# Altium PCB POETIC_Processor_V2_PANNEL.PcbDoc
Units mm, origin at the board's own origin, x right, y up, seen from the top; angles counter-clockwise.
Board outline 320 x 250 mm, 4 copper layers (Top Layer, VCC, GND, Bottom Layer), stack 0.603 mm thick; 4 components, 0 nets, 4 pads, 0 vias.
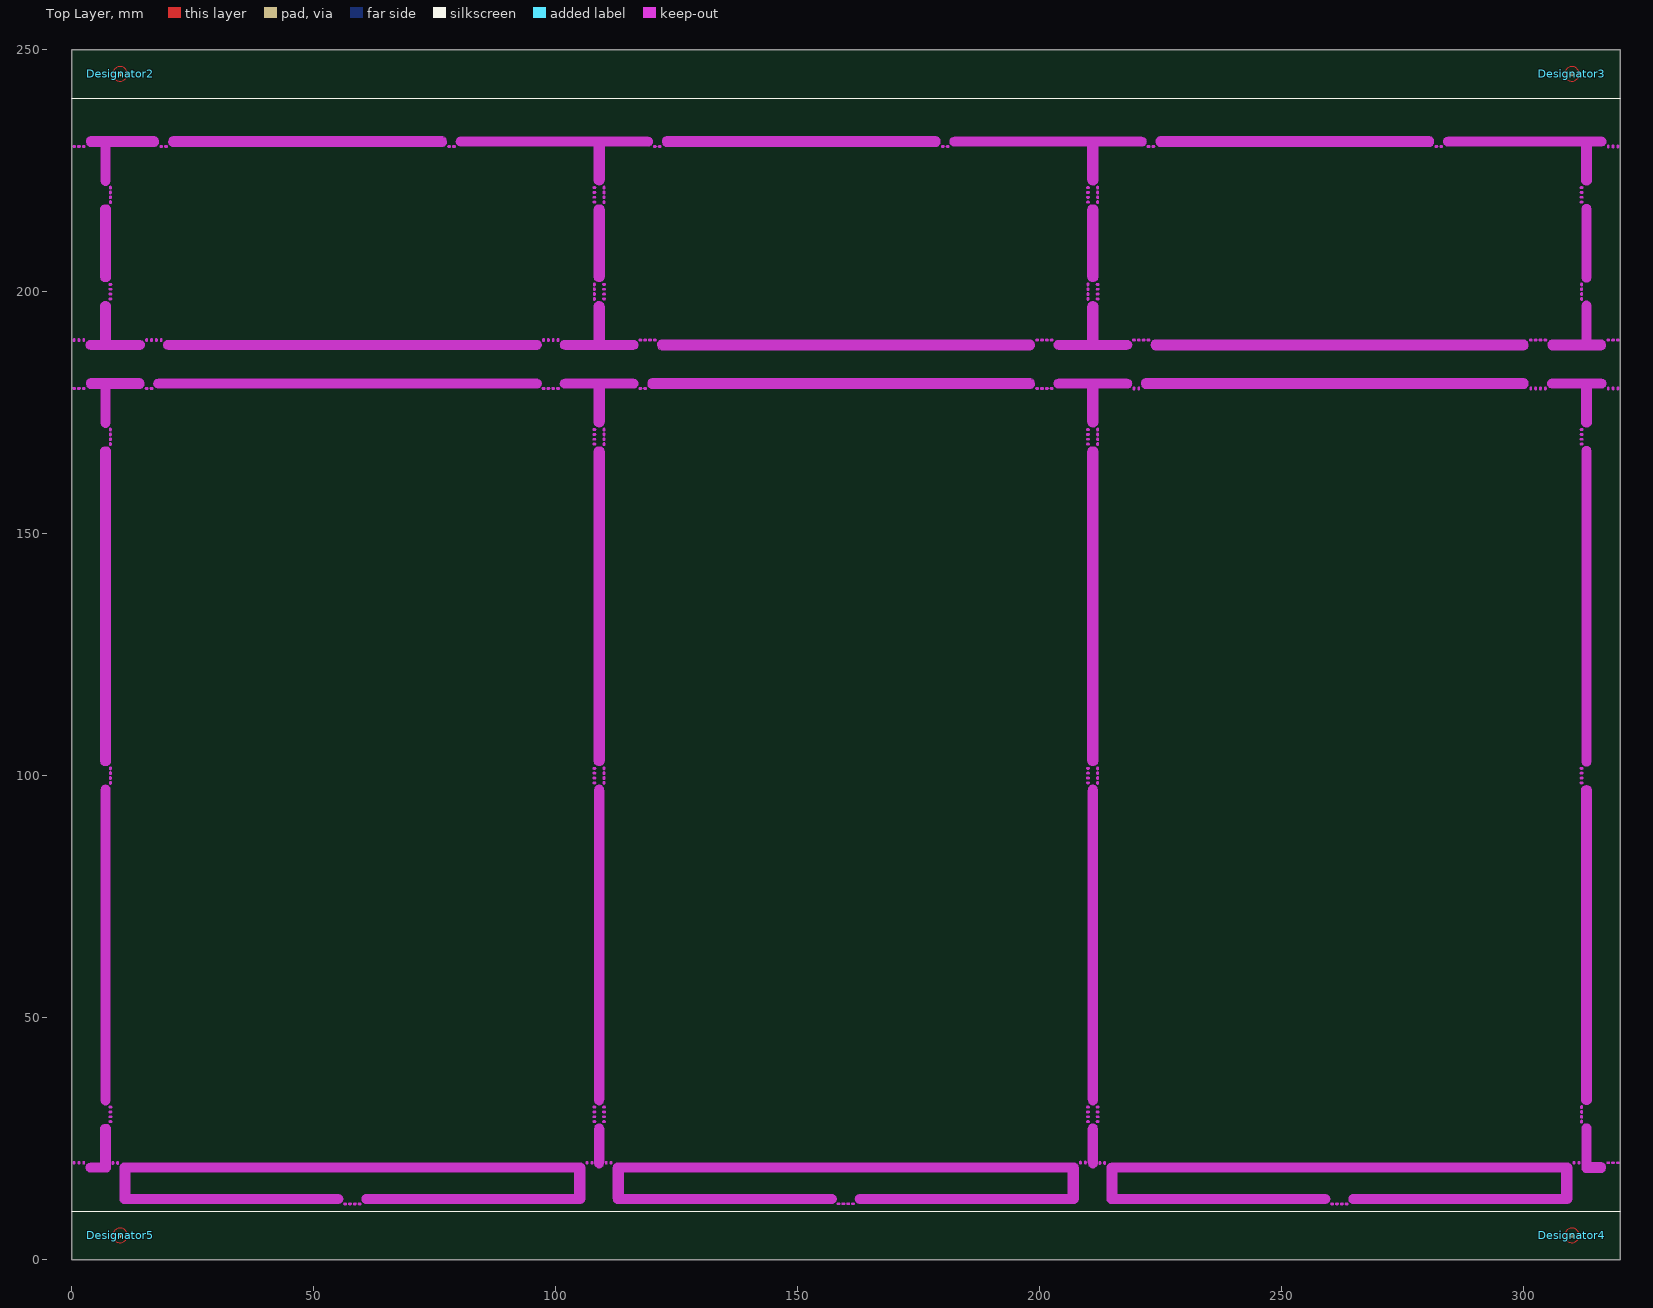
[diagram p0: Top Layer view]
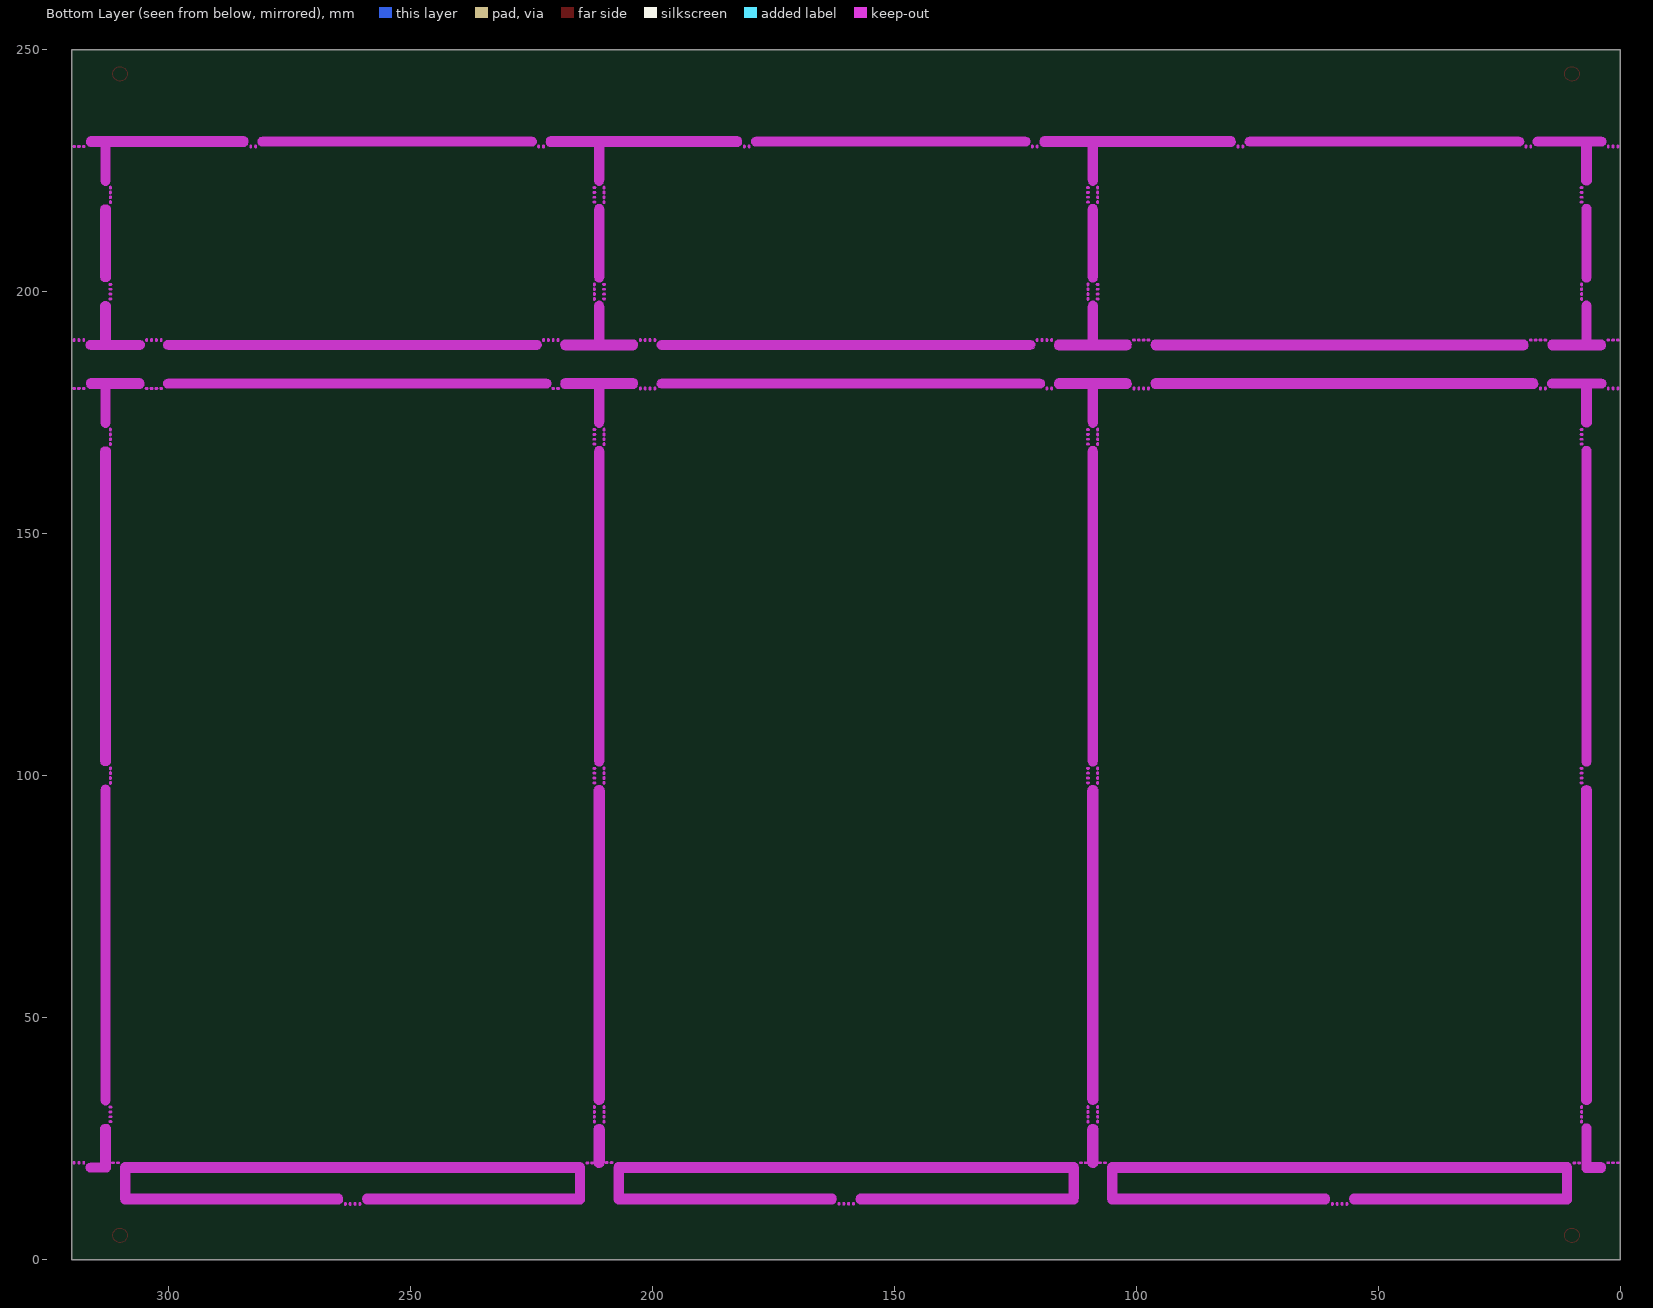
[diagram p1: Bottom Layer view, seen from below]
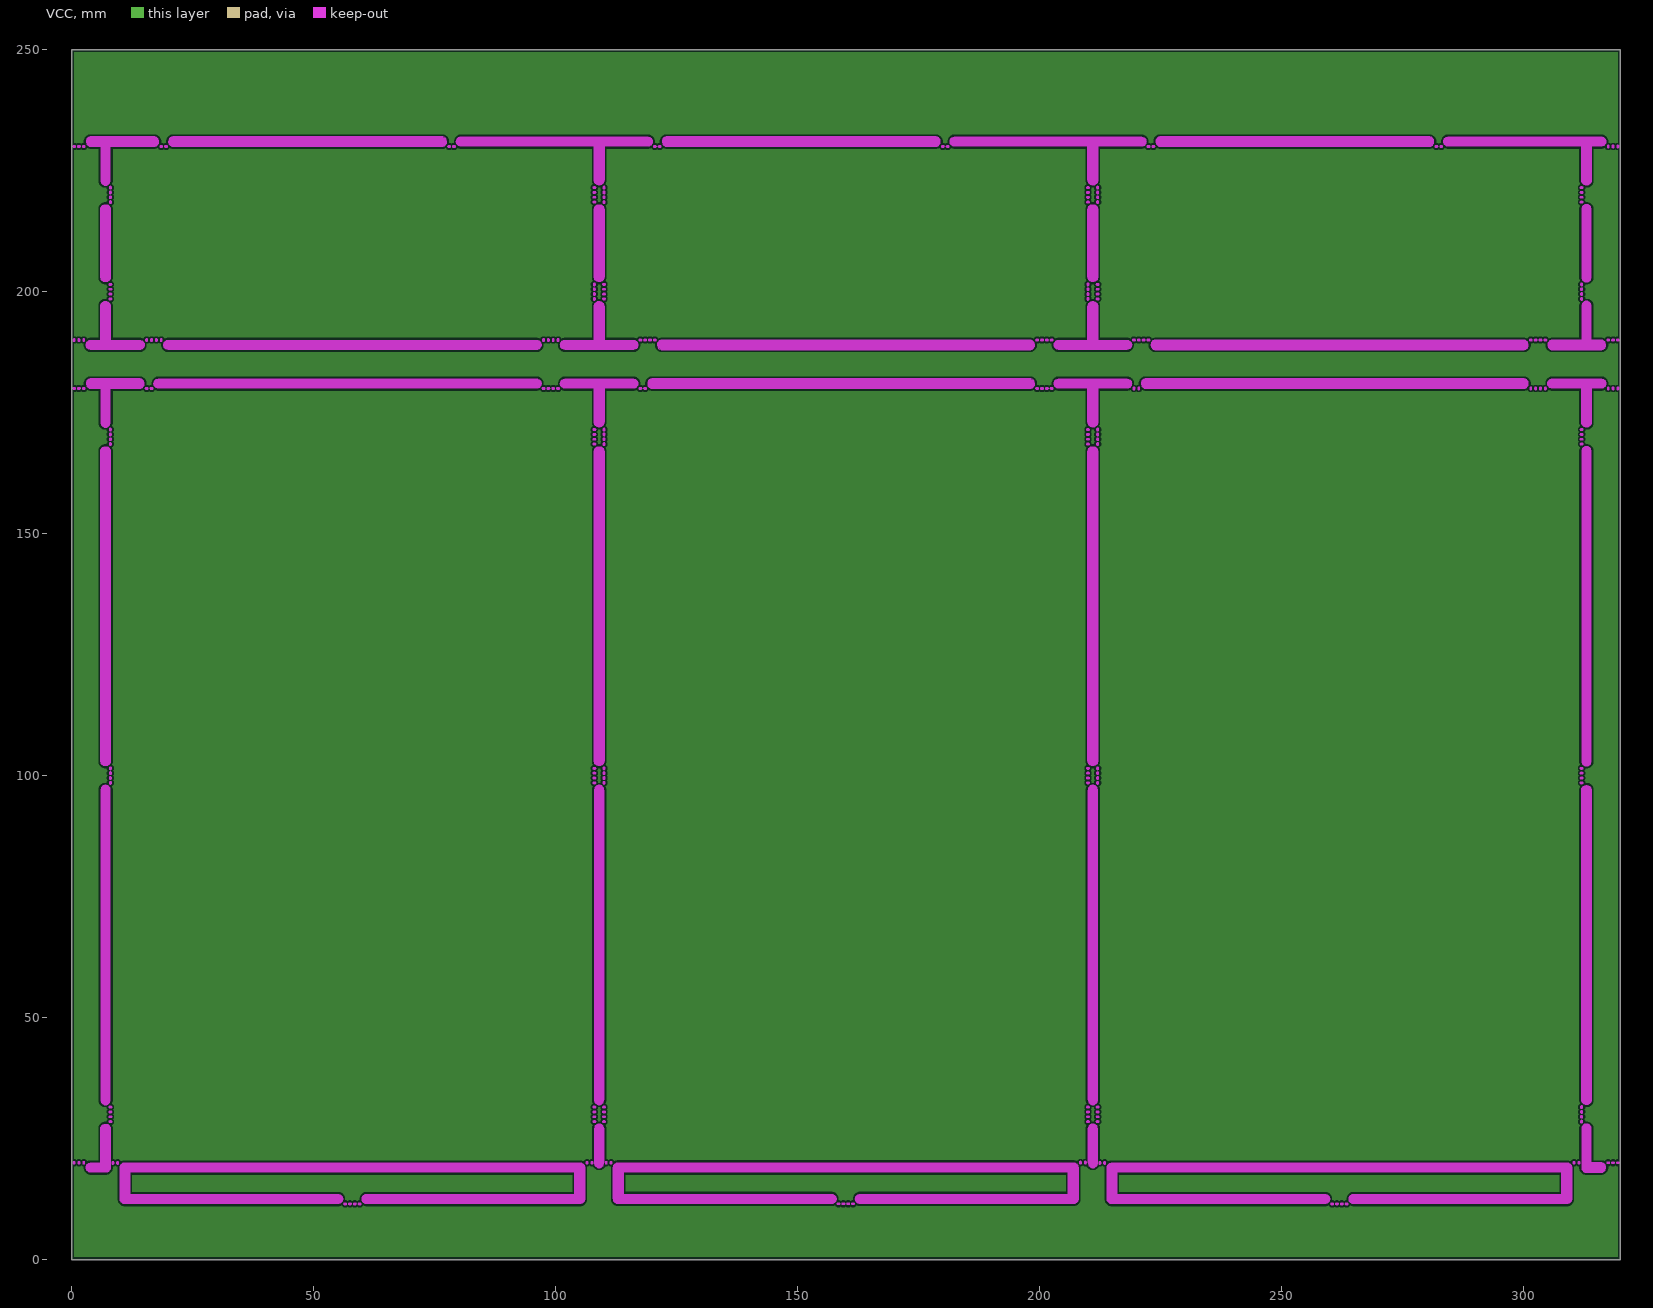
[diagram p2: VCC, clearances drawn from the general rule]
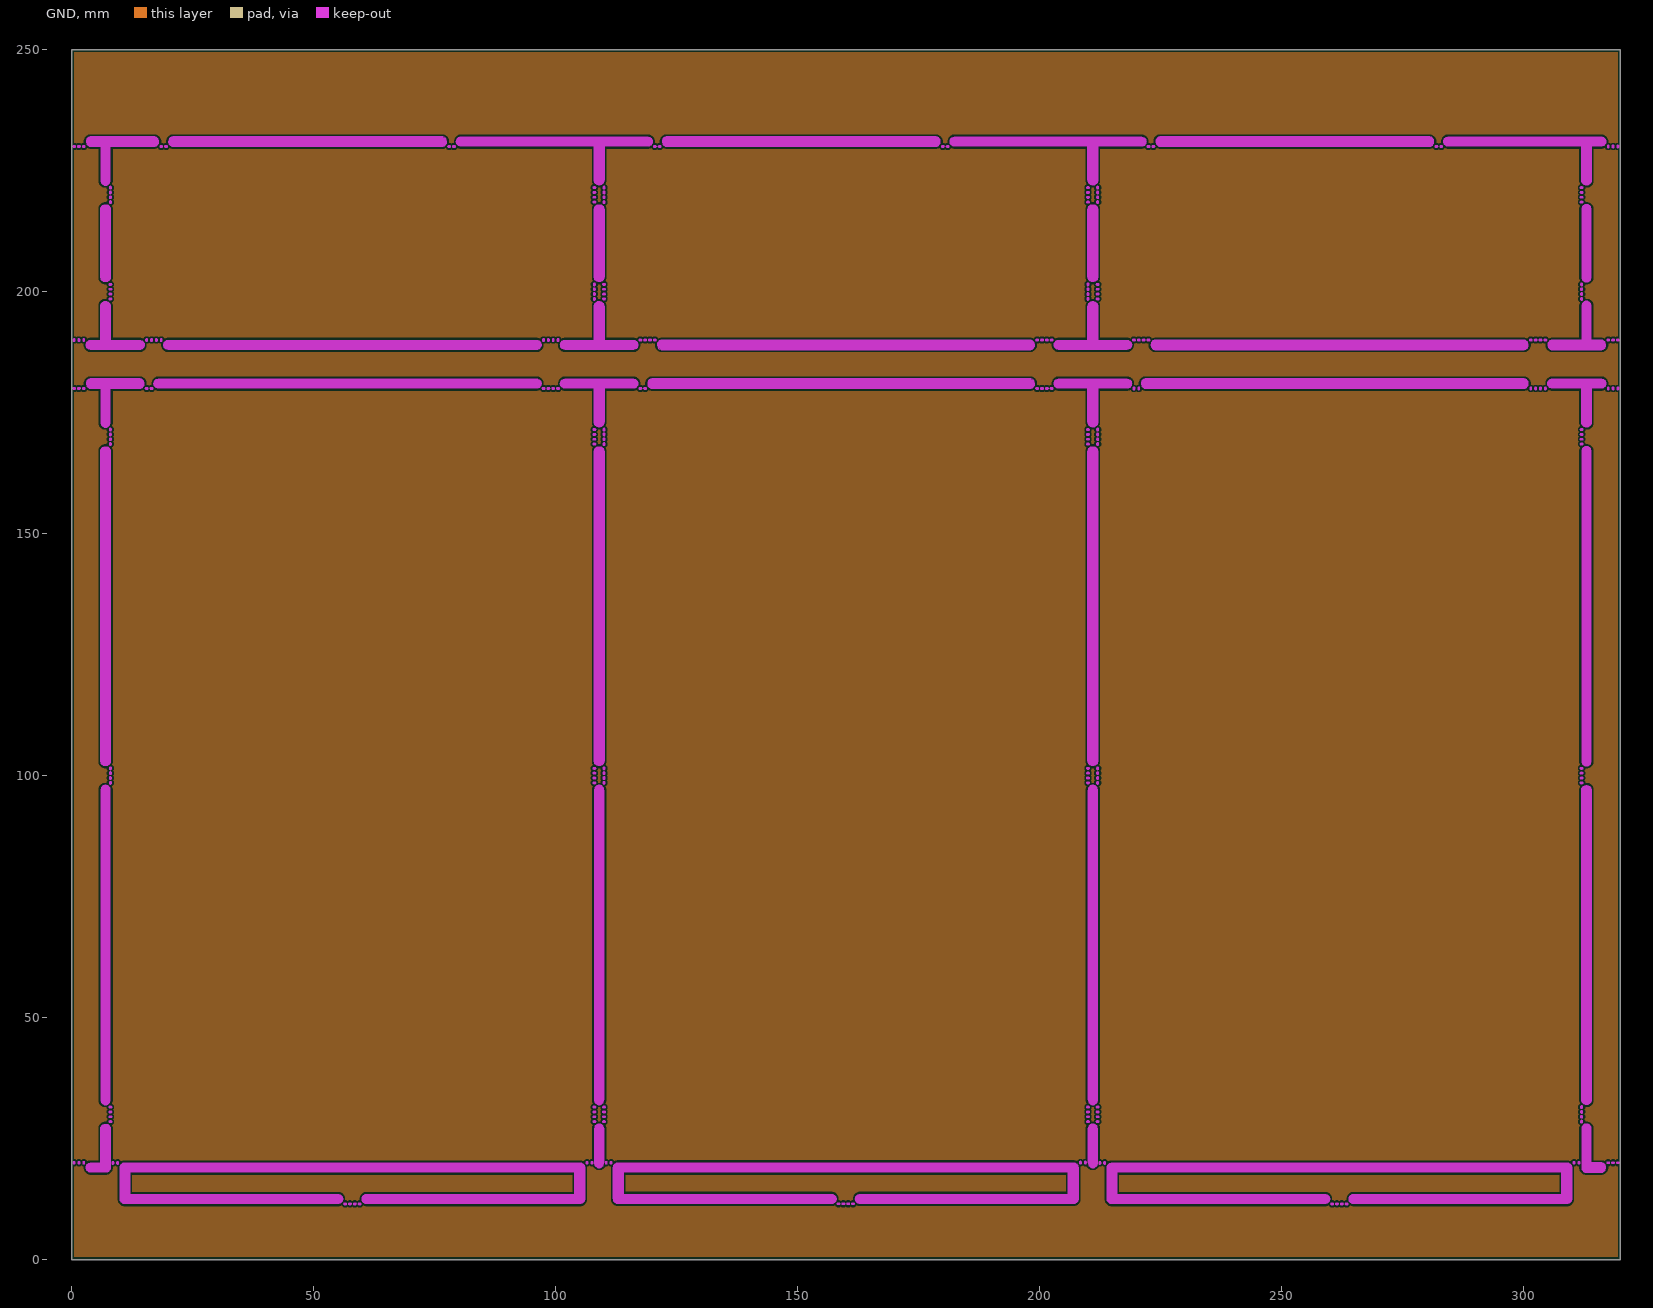
[diagram p3: GND, clearances drawn from the general rule]

## Layer stack, top to bottom
Top Solder: solder mask 0.0102, Solder Resist, Dk 3.5
Top Layer: signal copper 0.0356
Dielectric 2: prepreg 0.0711, PP-006, Dk 4.1
VCC: plane copper 0.035
Dielectric 1: dielectric 0.32, FR-4, Dk 4.8
GND: plane copper 0.035
Dielectric 3: prepreg 0.0711, PP-006, Dk 4.1
Bottom Layer: signal copper 0.0356
Bottom Solder: solder mask 0.0102, Solder Resist, Dk 3.5

## Board outline
0,0 0,250 320,250 320,0
cut-out: 210,19.987 ccw(c211,19.986) 212,19.986 212.001,27 ccw(c211,27) 212.001,27 ccw(c211,27) 210,27
cut-out: 108,19.987 ccw(c109,19.987) 110,19.987 110.001,27 ccw(c109,27) 110.001,27 ccw(c109,27) 108,27
cut-out: 222,180 300,179.999 ccw(c300,180.999) 301,180.999 ccw(c300,180.999) 300,182 222,182 ccw(c222,181)
cut-out: 120,180 198,179.999 ccw(c198,180.999) 199,180.999 ccw(c198,180.999) 198,182 120,182 ccw(c120,181)
cut-out: 18,180 cw(c18,181) 18,182 96,182 cw(c96,181) 97,181 cw(c96,181) 96,180
cut-out: 312,223.002 312,230.001 284.5,230.001 cw(c284.5,231.002) 284.5,232.002 313,232.002 cw(c313,231.002) 313.048,232.001 316,232.001 cw(c316,231) 317,231 cw(c316,231) 316,230 314.001,230 314.001,223.002 cw(c313,223.002)
cut-out: 210,223.002 210,230.001 182.5,230.001 cw(c182.5,231.002) 182.5,232.002 211,232.002 cw(c211,231.002) 211.028,232.002 221,232.002 cw(c221,231.001) 222,231.001 cw(c221,231.001) 221,230.001 212.001,230.001 212.001,223.002 cw(c211,223.002)
cut-out: 108,223.001 108,230 80.5,230 cw(c80.5,231.001) 80.5,232.001 108.972,232.001 cw(c109,231.001) 109,232.002 119,232.002 cw(c119,231.001) 120,231.001 cw(c119,231.001) 119,230.001 110.001,230.001 110.001,223.001 cw(c109,223.001)
cut-out: 121.5,229.75 cw(c121.5,230.001) 121.5,230.251 cw(c121.5,230.001) 121.75,230.001 cw(c121.5,230.001)
cut-out: 181,229.751 cw(c181,230.001) 181,230.252 cw(c181,230.001) 181.25,230.001 cw(c181,230.001)
cut-out: 180,229.751 cw(c180,230.001) 180,230.252 cw(c180,230.001) 180.25,230.001 cw(c180,230.001)
cut-out: 123,230.001 178.5,230 ccw(c178.5,231.001) 179.5,231.001 ccw(c178.5,231.001) 178.5,232.001 123,232.002 ccw(c123,231.001)
cut-out: 222.5,229.75 cw(c222.5,230.001) 222.5,230.251 cw(c222.5,230.001) 222.75,230.001 cw(c222.5,230.001)
cut-out: 223.5,229.75 cw(c223.5,230.001) 223.5,230.251 cw(c223.5,230.001) 223.75,230.001 cw(c223.5,230.001)
cut-out: 283,229.751 cw(c283,230.001) 283,230.252 cw(c283,230.001) 283.25,230.001 cw(c283,230.001)
cut-out: 282,229.751 cw(c282,230.001) 282,230.252 cw(c282,230.001) 282.25,230.001 cw(c282,230.001)
cut-out: 225,230.001 280.5,230 ccw(c280.5,231.001) 281.5,231.001 ccw(c280.5,231.001) 280.5,232.001 225,232.002 ccw(c225,231.001)
cut-out: 21,230 76.5,230 ccw(c76.5,231) 77.5,231 ccw(c76.5,231) 76.5,232 21,232.001 ccw(c21,231)
cut-out: 4,230 5.999,230 5.999,223 ccw(c7,223) 8,223 8,230 17,230 ccw(c17,231) 18,231 ccw(c17,231) 17,232.001 4,232.001 ccw(c4,231)
cut-out: 78,229.75 cw(c78,230) 78,230.251 cw(c78,230) 78.25,230 cw(c78,230)
cut-out: 79,229.75 cw(c79,230) 79,230.251 cw(c79,230) 79.25,230 cw(c79,230)
cut-out: 314,202.998 314.001,217 ccw(c313,217) 312,217 311.999,202.998 ccw(c313,202.998) 311.999,202.998 ccw(c313,202.998)
cut-out: 210,202.998 209.999,217 cw(c211,217) 212,217 212.001,202.998 cw(c211,202.998) 212.001,202.998 cw(c211,202.998)
cut-out: 108,202.998 107.999,217 cw(c109,217) 110,217 110.001,202.998 cw(c109,202.998) 110.001,202.998 cw(c109,202.998)
cut-out: 6,203 5.999,217.002 cw(c6.999,217.002) 8,217.002 8,203 cw(c7,203) 8,203 cw(c7,203)
cut-out: 7.749,218.5 ccw(c8,218.5) 8.25,218.5 ccw(c8,218.5)
cut-out: 7.749,219.5 ccw(c8,219.5) 8.25,219.5 ccw(c8,219.5)
cut-out: 7.749,220.5 ccw(c8,220.5) 8.25,220.5 ccw(c8,220.5)
cut-out: 7.749,221.5 ccw(c8,221.5) 8.25,221.5 ccw(c8,221.5)
cut-out: 19.5,229.75 cw(c19.5,230) 19.5,230.25 cw(c19.5,230) 19.75,230 cw(c19.5,230)
cut-out: 18.5,229.75 cw(c18.5,230) 18.5,230.25 cw(c18.5,230) 18.75,230 cw(c18.5,230)
cut-out: 2.5,229.75 cw(c2.5,230) 2.5,230.25 cw(c2.5,230) 2.75,230 cw(c2.5,230)
cut-out: 1.5,229.75 cw(c1.5,230) 1.5,230.25 cw(c1.5,230) 1.75,230 cw(c1.5,230)
cut-out: 0.5,229.75 cw(c0.5,230) 0.5,230.25 cw(c0.5,230) 0.75,230 cw(c0.5,230)
cut-out: 109.75,221.501 ccw(c110,221.501) 110.251,221.501 ccw(c110,221.501)
cut-out: 109.75,220.501 ccw(c110,220.501) 110.251,220.501 ccw(c110,220.501)
cut-out: 109.75,219.501 ccw(c110,219.501) 110.251,219.501 ccw(c110,219.501)
cut-out: 109.75,218.501 ccw(c110,218.501) 110.251,218.501 ccw(c110,218.501)
cut-out: 107.749,218.5 cw(c108,218.5) 108.25,218.5 cw(c108,218.5)
cut-out: 107.749,219.5 cw(c108,219.5) 108.25,219.5 cw(c108,219.5)
cut-out: 107.749,220.5 cw(c108,220.5) 108.25,220.5 cw(c108,220.5)
cut-out: 107.749,221.5 cw(c108,221.5) 108.25,221.5 cw(c108,221.5)
cut-out: 209.749,221.5 cw(c210,221.5) 210.25,221.5 cw(c210,221.5)
cut-out: 209.749,220.5 cw(c210,220.5) 210.25,220.5 cw(c210,220.5)
cut-out: 209.749,219.5 cw(c210,219.5) 210.25,219.5 cw(c210,219.5)
cut-out: 209.749,218.5 cw(c210,218.5) 210.25,218.5 cw(c210,218.5)
cut-out: 211.75,218.5 ccw(c212,218.5) 212.251,218.5 ccw(c212,218.5)
cut-out: 211.75,219.5 ccw(c212,219.5) 212.251,219.5 ccw(c212,219.5)
cut-out: 211.75,220.5 ccw(c212,220.5) 212.251,220.5 ccw(c212,220.5)
cut-out: 211.75,221.5 ccw(c212,221.5) 212.251,221.5 ccw(c212,221.5)
cut-out: 319.5,229.75 ccw(c319.5,230) 319.5,230.25 ccw(c319.5,230) 319.25,230 ccw(c319.5,230)
cut-out: 318.5,229.75 ccw(c318.5,230) 318.5,230.25 ccw(c318.5,230) 318.25,230 ccw(c318.5,230)
cut-out: 317.5,229.75 ccw(c317.5,230) 317.5,230.25 ccw(c317.5,230) 317.25,230 ccw(c317.5,230)
cut-out: 312.251,221.5 cw(c312,221.5) 311.75,221.5 cw(c312,221.5)
cut-out: 312.251,220.5 cw(c312,220.5) 311.75,220.5 cw(c312,220.5)
cut-out: 312.251,219.5 cw(c312,219.5) 311.75,219.5 cw(c312,219.5)
cut-out: 312.251,218.5 cw(c312,218.5) 311.75,218.5 cw(c312,218.5)
cut-out: 120.5,229.749 cw(c120.5,229.999) 120.5,230.25 cw(c120.5,229.999) 120.75,229.999 cw(c120.5,229.999)
cut-out: 312.251,201.5 ccw(c312,201.5) 311.75,201.5 ccw(c312,201.5)
cut-out: 312.251,200.5 ccw(c312,200.5) 311.75,200.5 ccw(c312,200.5)
cut-out: 312.251,199.5 ccw(c312,199.5) 311.75,199.5 ccw(c312,199.5)
cut-out: 312.251,198.5 ccw(c312,198.5) 311.75,198.5 ccw(c312,198.5)
cut-out: 301.5,190.25 cw(c301.5,190) 301.5,189.75 cw(c301.5,190) 301.25,190 cw(c301.5,190)
cut-out: 302.5,190.25 cw(c302.5,190) 302.5,189.75 cw(c302.5,190) 302.25,190 cw(c302.5,190)
cut-out: 303.5,190.25 cw(c303.5,190) 303.5,189.75 cw(c303.5,190) 303.25,190 cw(c303.5,190)
cut-out: 304.5,190.25 cw(c304.5,190) 304.5,189.75 cw(c304.5,190) 304.25,190 cw(c304.5,190)
cut-out: 317.5,190.25 cw(c317.5,190) 317.5,189.75 cw(c317.5,190) 317.25,190 cw(c317.5,190)
cut-out: 318.5,190.25 cw(c318.5,190) 318.5,189.75 cw(c318.5,190) 318.25,190 cw(c318.5,190)
cut-out: 319.5,190.25 cw(c319.5,190) 319.5,189.75 cw(c319.5,190) 319.25,190 cw(c319.5,190)
cut-out: 316,190 314.001,190 314.001,197 ccw(c313,197) 312,197 312,190 306,190 ccw(c306,189) 305,189 ccw(c306,189) 306,187.999 316,187.999 ccw(c316,189)
cut-out: 300,190 224,190 ccw(c224,189) 223,189 ccw(c224,189) 224,188 300,187.999 ccw(c300,189)
cut-out: 222.5,190.251 cw(c222.5,190) 222.5,189.75 cw(c222.5,190) 222.25,190 cw(c222.5,190)
cut-out: 221.5,190.251 cw(c221.5,190) 221.5,189.75 cw(c221.5,190) 221.25,190 cw(c221.5,190)
cut-out: 220.5,190.251 cw(c220.5,190) 220.5,189.75 cw(c220.5,190) 220.25,190 cw(c220.5,190)
cut-out: 219.5,190.251 cw(c219.5,190) 219.5,189.75 cw(c219.5,190) 219.25,190 cw(c219.5,190)
cut-out: 210.25,198.499 ccw(c210,198.499) 209.749,198.499 ccw(c210,198.499)
cut-out: 210.25,199.499 ccw(c210,199.499) 209.749,199.499 ccw(c210,199.499)
cut-out: 210.25,200.499 ccw(c210,200.499) 209.749,200.499 ccw(c210,200.499)
cut-out: 210.25,201.499 ccw(c210,201.499) 209.749,201.499 ccw(c210,201.499)
cut-out: 212.251,201.5 cw(c212,201.5) 211.75,201.5 cw(c212,201.5)
cut-out: 212.251,200.5 cw(c212,200.5) 211.75,200.5 cw(c212,200.5)
cut-out: 212.251,199.5 cw(c212,199.5) 211.75,199.5 cw(c212,199.5)
cut-out: 212.251,198.5 cw(c212,198.5) 211.75,198.5 cw(c212,198.5)
cut-out: 212,196.999 212,190 218,190 cw(c218,188.999) 218,187.999 211,187.999 cw(c211,188.999) 210.96,188 204,188 cw(c204,189) 202.999,189 cw(c204,189) 204,190 209.999,190 209.999,196.999 cw(c211,196.999)
cut-out: 110.251,198.5 cw(c110,198.5) 109.75,198.5 cw(c110,198.5)
cut-out: 110.251,199.5 cw(c110,199.5) 109.75,199.5 cw(c110,199.5)
cut-out: 110.251,200.5 cw(c110,200.5) 109.75,200.5 cw(c110,200.5)
cut-out: 110.251,201.5 cw(c110,201.5) 109.75,201.5 cw(c110,201.5)
cut-out: 108.25,201.5 ccw(c108,201.5) 107.749,201.5 ccw(c108,201.5)
cut-out: 108.25,200.5 ccw(c108,200.5) 107.749,200.5 ccw(c108,200.5)
cut-out: 108.25,199.5 ccw(c108,199.5) 107.749,199.5 ccw(c108,199.5)
cut-out: 108.25,198.5 ccw(c108,198.5) 107.749,198.5 ccw(c108,198.5)
cut-out: 100.5,190.251 ccw(c100.5,190) 100.5,189.75 ccw(c100.5,190) 100.75,190 ccw(c100.5,190)
cut-out: 99.5,190.251 ccw(c99.5,190) 99.5,189.75 ccw(c99.5,190) 99.75,190 ccw(c99.5,190)
cut-out: 98.5,190.251 ccw(c98.5,190) 98.5,189.75 ccw(c98.5,190) 98.75,190 ccw(c98.5,190)
cut-out: 97.5,190.251 ccw(c97.5,190) 97.5,189.75 ccw(c97.5,190) 97.75,190 ccw(c97.5,190)
cut-out: 20,190 96,190 cw(c96,189) 97,189 cw(c96,189) 96,188 20,187.999 cw(c20,189)
cut-out: 4,190 5.999,190 5.999,197 cw(c7,197) 8,197 8,190 14,190 cw(c14,189) 15,189 cw(c14,189) 14,187.999 4,187.999 cw(c4,189)